# Altium PCB SOM Board with RK3399.PcbDoc (part 3 of 5)
Units mil, origin at the board's own origin, x right, y up, seen from the top; angles counter-clockwise.
Board outline 2740.16 x 1968.5 mil, 12 copper layers (Top Layer, GND-1, PWR-1, PWR-2, GND-2, L1, GND-3, L2, GND-4, L3, GND-5, Bottom Layer), stack 70.898 mil thick; 560 components, 531 nets, 5756 pads, 63 vias.
Unrouted connection lines stored in the file: 2230.
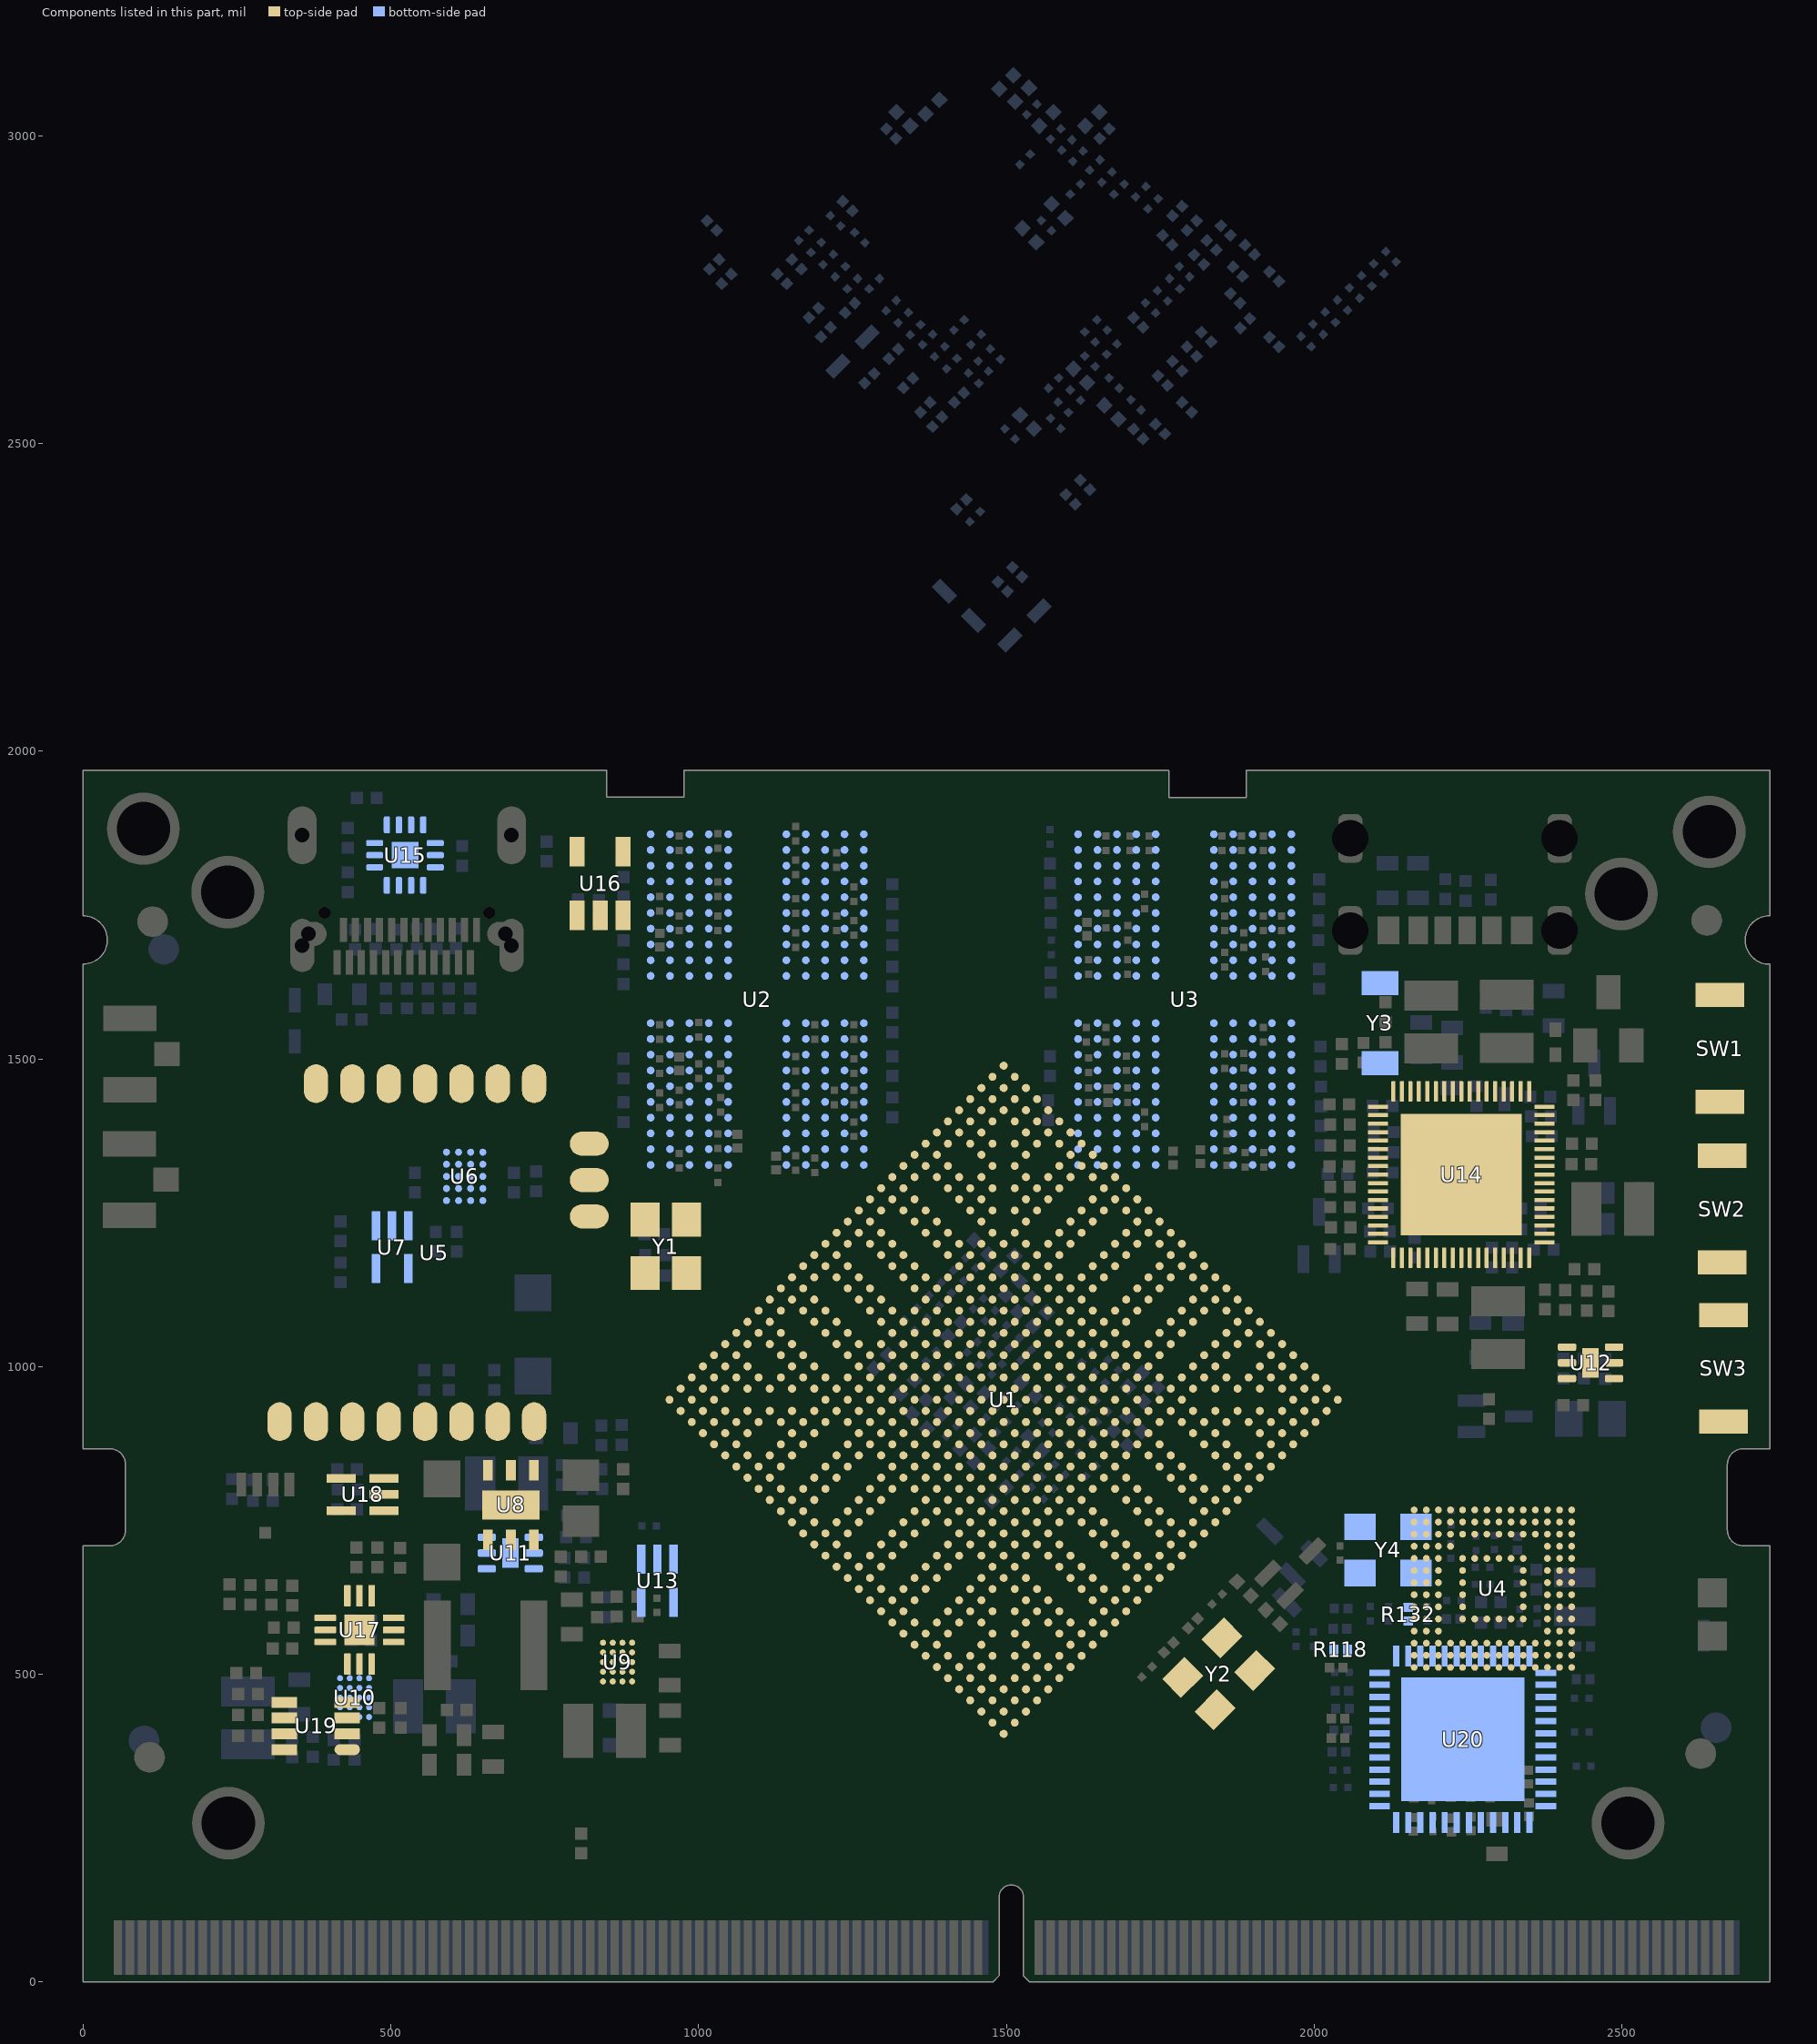
[diagram p10: the components of this part, seen from the top]

## Part data (continued)
R118: library part RES_2.49K-0.05W-1%-0201, "2.49 kOhms ±1% 0.05W, 1/20W Chip Resistor 0201 (0603 Metric) Automotive AEC-Q200 Thick Film", Case/Package=0201, Manufacturer="Panasonic Electronic Components", Manufacturer Part Number=ERJ-1GNF2491C, Supplier-1=Digikey
R132: library part RES_1.1K-0.05W-1%-0201, "1.1 kOhms ±1% 0.05W, 1/20W Chip Resistor 0201 (0603 Metric) Automotive AEC-Q200 Thick Film", Case/Package=0201, Manufacturer="Panasonic Electronic Components", Manufacturer Part Number=ERJ-1GNF1101C, Supplier-1=Digikey
SW1 SW2 SW3: library part SW1_4982, "Tactile Switch 3x4x2mm SMD 2-Pin", Case/Package=SMD, Manufacturer=NA, Manufacturer Part Number=NA, Supplier-1=Sunrom
U1: library part IC_RK3399-FCBGA828, "RK3399 is a low power, high performance processor for computing, personal mobile.", Case/Package=FCBGA828, Manufacturer=Rockchip, Manufacturer Part Number=RK3399, Supplier-1=Rockchip
U2 U3: library part IC_RS512M32LZ4D2ANP-75BT, "LPDDR4/4X Package FBGA 200b Density 4Gbit~64Gbit Operating Temperature Range：-25~85℃ Speed：2667Mbps/3200Mbps/3733Mbps Voltage：VDD1/VDD2/VDDQ= 1.8 / 1.1 / 1.1 V（LPDDR4）VDD1/VDD2/VDDQ = 1.8 / 1.1 / 0.6 V（LPDDR4X）Approved Verification Platform：MTK、Spreadtrum", Case/Package="FBGA 200b", Manufacturer=RAYSON, Manufacturer Part Number=RS512M32LZ4D2ANP-75BT, Supplier-1=RAYSON
U4: library part IC_KLMAG2WEMB-B031, "16GB NAND Flash Memory", Case/Package=153-FBGA, Manufacturer="Samsung Electronics", Manufacturer Part Number=KLMAG2WEMB-B031, Supplier-1=NA
U5: library part MOD_WF60-SMD, "Amp’ed RF Tech presents the WF60 WiFi dual / band module: 802.11abgn.", Alternate Part Number-1=NA, Case/Package=SMD, Manufacturer=Amp’ed, Nymble Part Number=1EA-AA-0568, Category=Module, Manufacturer Part Number=WF60, Number of Pins=16, Supplier Part Number-1=WF60, Supplier-1=Arrow
U6: library part IC_TXB0108NMER, "Translation - Voltage Levels 8-Bit Bidirectional Voltage-Level Shifter with Auto Direction Sensing and +/-15-kV ESD Protect", Case/Package=NFBGA-20, Manufacturer="Texas Instruments", Manufacturer Part Number=TXB0108NMER, Supplier-1=Mouser
U7 U13: library part REG_1.8V-300mA-5.5V-SC70-5, "Linear Voltage Regulator IC 1 Output 300mA SC-70-5", Case/Package=SC70-5, Manufacturer="Richtek USA Inc.", Manufacturer Part Number=RT9193-18GU5, Supplier-1=Digikey
U8: library part REG_5.5V-0~5.1V-0.5A-2.55W-DFN-6, "Adjustable 5.5V 0.8V 500mA DFN-6 Linear Voltage Regulators RoHS", Alternate Part Number-1=NA, Case/Package=DFN-6, Manufacturer=STMicroelectronics, Nymble Part Number=1EA-AA-0572, Supplier Part Number-1=C222094, Category=Regulators, Manufacturer Part Number=LD39050PUR, Number of Pins=6, Supplier-1=LCSC
U9 U10: library part IC_SYR838PKC, "Step-Down Positive Programmable 1 6A 2.4MHz CSP1.56*1.96-20 DC-DC Converters RoHS", Case/Package=CSP1.56*1.96-20, Manufacturer="Silergy Corp", Manufacturer Part Number=SYR838PKC, Supplier-1=LCSC
U11 U12: library part REG-ADJ_5.5V-5.5V-1A-6-WDFN, "Buck Switching Regulator IC Positive Adjustable 0.6V 1 Output 1A 6-WDFN Exposed Pad", Case/Package=6-WDFN, Manufacturer="Richtek USA Inc.", Manufacturer Part Number=RT8010GQW, Supplier-1=Digikey
U14: library part IC_RK808-D-QFN68, "The RK808 is a complete power supply solution for Portable systems.", Case/Package=QFN68, Manufacturer=Rockchip, Manufacturer Part Number=RK808-D, Supplier-1=Rockchip
U15: library part IC_FUSB302MPX, "USB Controller USB 3.1 USB Interface 14-MLP (2.5x2.5)", Case/Package=14-MLP, Manufacturer="ON Semiconductor", Manufacturer Part Number=FUSB302MPX, Supplier-1=Digikey
U16: library part REG-ADJ_5.5V-5.5V-1.25A-SOT-23-5, "SOT-23-5 PMIC - Power Distribution Switches RoHS", Case/Package=SOT-23-5, Manufacturer="Silergy Corp", Manufacturer Part Number=SY6280AAC, Supplier-1=LCSC
U17: library part REG_3.3V-26V-8A-QFN-12, "Switching Voltage Regulators 26V Fixed 3.3 V-8A Sync Buck Converter", Case/Package=QFN-12, Manufacturer="Monolithic Power Systems (MPS)", Manufacturer Part Number=NB680GD-Z, Supplier-1=Mouser
U18: library part REG_3.3V-5.5V-300mA-SC-70-5, "SC-70-5 Dropout Regulators(LDO) RoHS", Case/Package=SC-70-5, Manufacturer="Richtek Tech", Manufacturer Part Number=RT9193-33PU5, Supplier-1=LCSC
U19: library part REG_0.6~5V-5.5V-3A-TSOT-23-8, "Switching Voltage Regulators 3A, 5.5V, 1.2MHz Sync Stp-Dwn Swtchr", Case/Package=TSOT-23-8, Manufacturer="Monolithic Power Systems (MPS)", Manufacturer Part Number=MP2143DJ-LF-Z, Supplier-1=Mouser
U20: library part IC_RTL8211E-VB-CG, "Ethernet Transceivers 10/100/1000 Base-T PHY GMII, MII, RGMII 1.43V ~ 3.63V QFN-48_6x6x04P Ethernet ICs RoHS", Case/Package=QFN-48, Manufacturer="Realtek Semicon", Manufacturer Part Number=RTL8211E-VB-CG, Supplier-1=LCSC
Y1: library part XTAL_ECS-327MVATX-2-CN-TR, "32.768kHz XO (Standard) CMOS Oscillator 1.6V ~ 3.6V Enable/Disable 4-SMD, No Lead", Alternate Part Number-1=NA, Case/Package=SMD-4, Manufacturer="ECS INC", Nymble Part Number=1EA-AA-0561, Category=Crystal, Manufacturer Part Number=ECS-327MVATX-3-CN-TR, Number of Pins=4, Supplier Part Number-1=ECS-327MVATX-3-CN-TR, Supplier-1=Digikey
Y2 Y4: library part XTAL_24Mhz-12pF-4-SMD, "24MHz ±20ppm Crystal 12pF 50 Ohms 4-SMD, No Lead", Case/Package=SMD, Manufacturer="Abracon LLC", Manufacturer Part Number=ABM8AIG-24.000MHZ-12-2Z-T3, Supplier-1=Digikey
Y3: library part XTAL_32.768Khz-22pF-SMD, "32.768kHz ±20ppm Crystal 12pF 80 kOhms 2-SMD, No Lead", Case/Package=0603, Manufacturer=Ecliptek, Manufacturer Part Number=ECS-.327-6-34RR-TR, Supplier-1=Digikey